# Altium PCB TIDA-010933-RevA.PcbDoc (part 4 of 9) (continued)
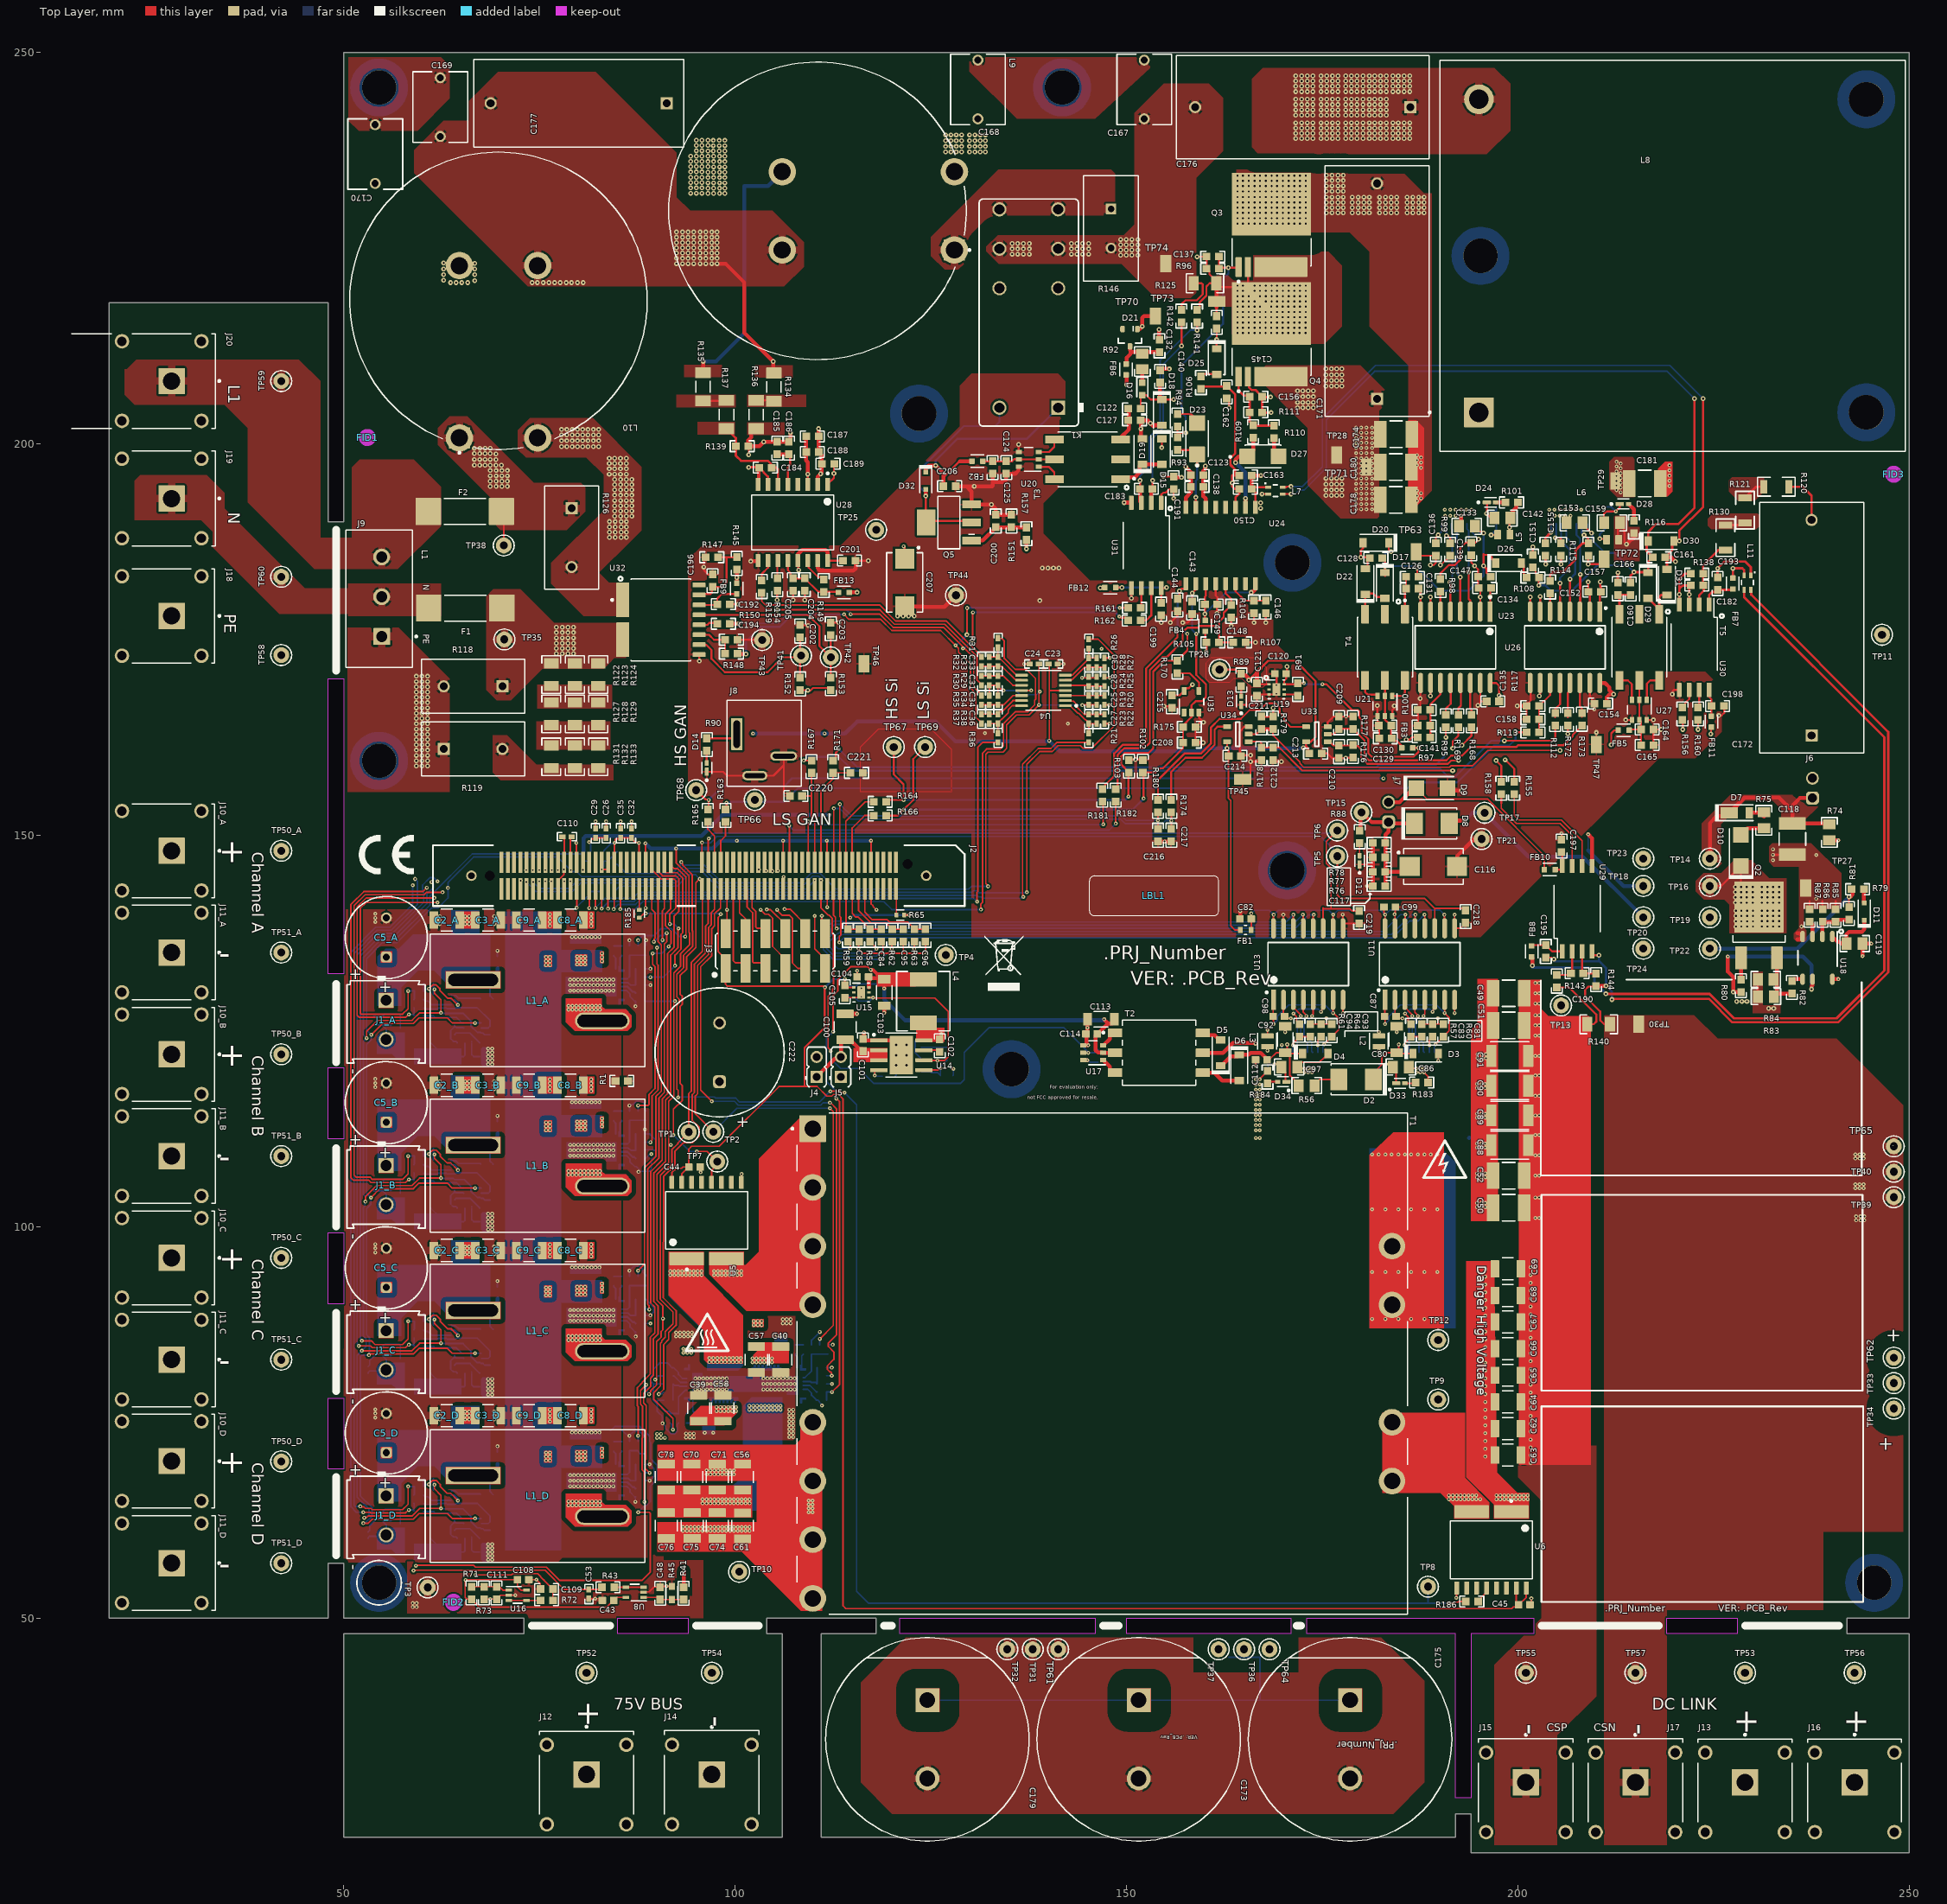
[diagram p0: Top Layer view]
## Nets (pads, with @x,y where several pads share a name; then routed paths per layer and width w, separated by ;. In a path a pad name is that pad's centre, name@x,y a point inside that pad or via, vN(x,y) a via of type N, cw(c..) or ccw(c..) an arc to the next point about the centre after c; other vN are vias at no path point) (continued)
  Top Layer w0.5: FB9.2@100.193,182.2 v2(100.193,182.909) R145.2@100.193,183.921 ; R89.2@164.647,170.413 165.199,170.413 165.584,170.027 165.584,169.827 v2(165.605,169.806) ; C121.1@166.647,169.413 166.647,170.849 167.135,171.336 ; U26.16@210.445,169.434 211.107,169.434 211.684,168.857 211.684,168.516 v2(212.208,167.992) 211.708,167.992 211.353,167.637 C154.1@211.353,166.801
  Layer 1 w0.2: v1(62.4,64) 63,64 65.553,61.447 v1(65.553,54.858)
  Layer 2 w0.2: 115.582,152.6 115.6,152.582
  Layer 2 w0.254: v2(109.28,168.517) 109.28,165.12 v1(111.4,163)
  Layer 2 w0.5: v2(100.193,182.909) 100.193,182.206 98.212,180.225 98.212,172.267 102.366,168.113 102.366,162.9 102.297,162.968 v1(102.275,162.968) ; v1(111.4,163) 111.9,162.5 111.9,160.35 114,158.25 115.6,156.65 115.6,152.582 115.6,140.361 v1(114.699,139.46) 114,138.761 v1(114,131.6) ; v1(112,152.6) 115.582,152.6 ; v2(165.605,169.806) 167.489,167.923 168.22,167.923 168.835,167.308 169.46,167.308 170.004,167.852 170.004,167.923 184.714,167.923 185.54,168.749 187.646,168.749 188.628,167.767 v2(188.825,167.767) v2(202.735,167.767) 211.953,167.767 212.178,167.992 v2(212.208,167.992)
  Bottom Layer w0.2: v1(52.6,62.8) 52.681,62.8 52.88,62.999 53.011,62.999 53.2,63.188 53.2,63.934 51.7,65.434 51.7,83.528 v1(52.3,84.128) 52.85,84.678 52.85,85.65 52.5,86 52.5,102.462 52.693,102.655 52.693,103.113 v1(52.75,103.17) 52.75,103.824 52.5,104.074 52.5,123.67 v1(52.9,124.07) 52.5,124.47 52.5,134.401 54.749,136.65 56.563,136.65 61,141.087 61,142.202 66.398,147.6 80.343,147.6 R2.2@80.6,147.857 ; U2_D.5@61.45,66.325 v1@61.45,67.017 ; v1@61.45,67.05 C6_D.1@61.45,67.775 ; U2_C.5@61.45,87.425 v1@61.45,88.117 ; v1@61.45,88.15 C6_C.1@61.45,88.875 ; U2_B.5@61.45,108.525 v1@61.45,109.217 ; v1@61.45,109.25 C6_B.1@61.45,109.975 ; U2_A.5@61.45,129.625 v1@61.45,130.317 ; v1@61.45,130.35 C6_A.1@61.45,131.075 ; v1(62.4,64) 62.45,63.95 65.235,63.95 66.218,62.967 66.218,62.327 67.03,61.515 67.425,61.515 67.525,61.415 67.775,61.415 67.99,61.2 C19_D.1@68.675,61.2 ; v1(62.4,85.1) 62.45,85.05 65.235,85.05 66.218,84.067 66.218,83.427 67.03,82.615 67.425,82.615 67.525,82.515 67.775,82.515 67.99,82.3 C19_C.1@68.675,82.3 ; v1(62.4,106.2) 62.45,106.15 64,106.15 64.15,106 65.385,106 66.218,105.167 66.218,104.527 67.03,103.715 67.425,103.715 67.525,103.615 67.775,103.615 67.99,103.4 C19_B.1@68.675,103.4 ; v1(62.4,127.3) 62.45,127.25 65.235,127.25 66.218,126.267 66.218,125.627 67.03,124.815 67.425,124.815 67.525,124.715 67.775,124.715 67.99,124.5 C19_A.1@68.675,124.5 ; v1(88.543,140) v1@97.962,140
  Bottom Layer w0.254: v1(111.45,130.55) 112.5,131.6 v1(114,131.6) ; v1(114.699,139.46) 114.766,139.46 115.108,139.803 v1(122.21,139.803)
  Bottom Layer w0.5: R2.2@80.6,147.857 80.6,149.591 80.893,149.884 95.684,149.884 98.4,152.6 v1(112,152.6) ; v1(102.275,162.968) 114.022,162.968 115.554,164.5 125.6,164.5 128.097,162.003 130.907,162.003 130.91,162 140.038,162 v1(140.1,162.062) 141.462,160.7 159.715,160.7 160.111,161.096 v2(162.83,161.096) 172.503,161.096 172.552,161.146 v2(172.582,161.146)
  other v2: 197.588,167.833
3V3_ISO: C82.1 C99.1 FB1.2 U11.10 U11.16 U13.10 U13.16 | length 36.4
  Top Layer w0.2: FB1.2@165.9,137.9 165.927,137.927 C82.1@165.927,139.3 v1(165.927,140) ; U13.16@168.756,138.09 168.756,139.807 v1(168.783,139.834) ; U13.10@176.376,138.09 176.376,139.817 v1(176.396,139.836) ; 182.873,140.092 C99.1@182.873,140.8 ; U11.16@183.006,138.09 183.006,139.824 v1(183.033,139.851) ; v1(190.599,139.835) 190.612,139.821 190.612,138.104 U11.10@190.626,138.09
  Bottom Layer w0.2: v1(165.927,140) 166.335,140.408 168.209,140.408 v1(168.783,139.834) 169.356,140.408 175.824,140.408 v1(176.396,139.836) 176.967,140.408 181.992,140.408 182,140.4 182.484,140.4 v1(183.033,139.851) 183.611,140.43 190.004,140.43 v1(190.599,139.835)
5V: C10_A.1 C10_B.1 C10_C.1 C10_D.1 C46.1 C72.1 C103.1 C104.2 C106.1 C113.1 C114.1 C120.2 C206.1 C207.1 C215.1 D9.1 D32.1 FB2.2 FB3.2 FB4.1 FB5.2 FB10.1 FB11.1 FB12.1 FB13.1 J2.48 J2.84 J2.98 J2.112 J7.2 J8.1 K1.A1 L4.2 R7_A.1 R7_B.1 R7_C.1 R7_D.1 R42.1 R50.1 R66.2 R67.2 R90.2 R91.2 R105.2 T2.2 TP25.1 U15.6 U17.2 U19.6 U35.5 | length 573
  Top Layer w0.2: v1(88.374,64.85) 88.374,68.652 88.111,68.915 88.111,72.971 88.136,72.996 88.136,77.052 87.897,77.291 87.897,79.054 v1(88.634,79.791) ; v1(88.533,148.95) 88.543,148.94 J2.48@88.543,146.522 ; v1(88.993,78.594) 88.993,78.676 89.193,78.876 89.193,79.007 89.943,79.757 89.943,85.3 90.525,85.881 90.525,86.6 90.75,86.825 90.75,89.826 90,90.576 90,106.681 91.5,108.181 91.5,115.986 92.145,116.632 v1@92.145,128.8 ; v1(92.295,128.8) 92.295,128.881 92.145,129.031 92.145,132.385 92.994,133.233 92.994,134.804 94.163,135.973 94.163,137.486 94.093,137.556 94.093,144.804 92.443,146.454 v1(92.443,148.3) ; v1(106.1,149.291) 106.121,149.27 106.121,146.543 J2.84@106.143,146.522 ; v1(111.7,149.291) 111.721,149.27 111.721,146.543 J2.98@111.743,146.522 ; v1(112.35,78.875) 113.329,79.854 113.329,115.931 v1(112.929,116.331) ; v1(112.5,124.9) 112.5,129.5 113.1,130.1 113.1,131.525 114.786,133.211 116.889,133.211 v1(117.3,132.8) ; J2.112@117.343,146.522 v1@117.343,149.287 ; v1(121.505,186.889) 121.642,186.751 C207.1@121.642,185.304 ; D9.1@187,156 188.4,154.6 196.134,154.6 203.35,147.384 FB10.1@203.35,145.6
  Top Layer w0.254: R90.2@96.36,162.367 99.66,162.367 J8.1@100.193,162.9 ; 126.575,195.661 128.683,197.768 ; C215.1@155.793,167.852 156.768,167.852 U35.5@157.343,168.427 157.701,168.785 157.965,168.785 v2(158.412,169.232) ; FB4.1@160.043,176.033 160.043,174.782 R105.2@160.201,174.624 160.201,173.415 v2(160.186,173.4) ; v2(170.482,171.534) 170.482,170.721 C120.2@170.374,170.613 170.374,169.99 170.122,169.738 U19.6@170.122,169.263 171.725,169.263 R91.2@171.875,169.413 v1(172.64,169.413) ; v1(175.02,169.281) 175.007,169.268 175.007,169.263 175.524,169.263 178.793,165.994 179.53,165.994 179.722,165.802 179.722,165.04 180.02,164.741 180.02,163.108 180.856,162.273 180.856,160.455 181.299,160.012 186.663,160.012 187.282,160.63 187.282,161.128 v2(187.3,161.147) FB3.2@186.551,161.147 ; v2(211.911,161.535) 211.911,163.013 212.298,163.4 FB5.2@212.8,163.4 ; v2(224.61,162.925) 224.655,162.97 224.655,163.755 FB11.1@224.7,163.8
  Top Layer w0.5: FB13.1@114.579,181.007 v2(115.55,181.007) ; C104.2@117.027,131.9 C104.2@117.075,131.852 ; U15.6@117.075,130.55 C104.2@117.075,131.852 ; v1(117.3,132.8) 117.57,132.8 118.6,131.77 C103.1@118.6,131.75 ; v1(117.338,149.291) v1@117.343,149.287 ; v1(119.02,130.4) C103.1@119.02,131.6 118.87,131.75 C103.1@118.6,131.75 ; D32.1@124.323,196.352 124.323,196.816 124.727,197.22 v2(125.619,197.22) 126.575,196.264 126.575,195.661 C206.1@126.575,194.575 ; 128.683,197.768 FB2.2@130.227,197.768 ; v1(147.108,126.463) 147.62,125.951 ; C113.1@148.42,126.5 148.42,126.25 148.12,125.95 147.62,125.95 146.27,124.6 C114.1@146.247,124.6 146.045,124.398 146.045,122.518 146.338,122.225 146.87,122.225 146.895,122.2 T2.2@148.5,122.2 ; J7.2@183.461,154.22 184.883,154.22 D9.1@186.663,156 ; C104.2@117.075,131.852 117.177,131.75 C103.1@118.6,131.75
  Layer 2 w0.2: v1(89.175,87.63) 90.451,87.63 90.693,87.872 90.693,88.193 v1(90.75,88.25) ; v1(89.276,109.268) 90.597,109.268 v1(91.764,110.436) ; 116.9,189.9 117.1,189.9 ; TP25.1@117.5,189.2 TP25.1@117.703,188.997
  Layer 2 w0.25: v2(125.619,197.22) 127.559,197.22 127.945,197.606 129.788,197.606 144.199,183.195 145.025,183.195 v2(146.634,181.586) 148.375,181.586 149.121,180.84 150.284,180.84 150.334,180.89 150.856,180.89 150.906,180.84 154.75,180.84 160.186,175.404 v2(160.186,173.4) ; v2(158.412,169.232) 158.412,171.627 v2(160.186,173.4) ; v2(170.482,171.534) 166.267,171.534 164.401,173.4 v2(160.186,173.4) ; 187,157.27 187.3,157.57 v2(187.3,161.147) ; v2@211.911,161.635 223.785,161.635 224.61,162.46 v2(224.61,162.925)
  Layer 2 w0.5: v1(100.2,149.291) 100.193,149.299 J8.1@100.193,162.9 100.193,169.296 96.641,172.848 96.641,181.87 100.053,185.283 101.21,185.283 102.828,186.901 114.579,186.901 ; v2(115.55,181.007) 114.579,181.977 114.579,186.901 ; 117.1,189.9 TP25.1@118,189 ; v1(117.3,132.8) 117.338,132.838 v1(117.338,149.291) ; TP25.1@117.703,188.997 119.397,188.997 v1(121.505,186.889) ; v2(125.619,197.22) 124.136,197.22 114.579,187.663 114.579,186.901 ; J7.2@183.461,154.22 186.511,157.27 187,157.27 197.523,157.27 200.286,160.034 210.866,160.034 211.911,161.078 v2@211.911,161.635
  Bottom Layer w0.2: v1(88.374,64.85) 88.374,65.379 C10_D.1@88.461,65.466 R7_D.1@88.461,66.516 ; C10_C.1@88.461,86.566 R7_C.1@88.461,87.616 89.161,87.616 v1(89.175,87.63) ; C10_B.1@88.461,107.666 R7_B.1@88.461,108.716 88.561,108.716 v1@89.055,109.21 ; R7_A.1@88.461,129.816 C10_A.1@88.461,128.766 92.261,128.766 v1(92.295,128.8) ; v1(88.634,79.791) 88.634,79.013 88.993,78.654 v1(88.993,78.594) ; v1(89.768,80.45) 89.826,80.507 89.826,80.607 90.143,80.925 R42.1@90.843,80.925 C46.1@90.843,81.961 ; C72.1@111.65,77.839 R50.1@111.65,78.875 v1(112.35,78.875) ; v1(112.5,124.9) 111.65,124.05 111.65,118.55 112.929,117.271 v1(112.929,116.331) ; R67.2@114.5,130.7 115.47,130.7 115.77,131 118.42,131 v1(119.02,130.4) ; R66.2@123.77,121.4 123.77,121.425 122.995,122.2 122.995,123.7 123.77,124.475 C106.1@123.77,124.5
  Bottom Layer w0.254: v2(125.619,197.22) 125.619,197.863 128.393,200.637 137.288,200.637 K1.A1@141.25,204.6 ; v1@172.839,169.281 v1(175.02,169.281)
  Bottom Layer w0.5: v1(88.533,148.95) 89.183,148.3 v1(92.443,148.3) 97.109,148.3 98.1,149.291 v1(100.2,149.291) v1(106.1,149.291) v1(111.7,149.291) v1(117.338,149.291) ; v1(119.02,130.4) 119.02,129 121.67,126.35 123.77,126.35 ; C106.1@123.77,124.5 123.77,126.35 ; v1(147.108,126.463) 146.996,126.35 123.77,126.35
5V_AUX: C116.1 C117.1 D8.1 J7.1 R76.2 R77.2 R78.2 R88.2 TP15.1 | length 22.6
  Top Layer w0.5: R88.2@179.767,150.586 179.883,150.703 179.883,152.683 TP15.1@179.9,152.7 ; TP15.1@180.079,152.879 181.277,151.68 J7.1@183.461,151.68 ; C117.1@183.05,143.5 R76.2@183.05,145.332 ; J7.1@183.8,151.34 J7.1@183.641,151.5 ; D8.1@186.79,151.5 J7.1@183.641,151.5 ; C116.1@187.031,145.131 C116.1@186.163,146 185.495,145.332 R76.2@183.05,145.332 ; R76.2@183.05,145.332 R78.2@183.05,149 183.05,150.051 183.461,150.462 J7.1@183.461,151.68 ; J7.1@183.461,151.68 J7.1@183.641,151.5
5V_H: C81.1 C87.1 U10.51 U11.1 U11.7 | length 20.2
  Top Layer w0.2: v1(183.006,125.866) 183.006,126.818 C87.1@182.974,126.85 182.974,128.928 U11.1@183.006,128.96 ; v1(189.475,123.263) 189.475,123.274 190.451,124.25 C81.1@190.451,124.275 190.451,124.3 191.226,125.075 191.226,126.675 190.7,127.201 v1@190.7,127.3 ; v1@190.626,127.3 U11.7@190.626,128.96
  Bottom Layer w0.2: v1(183.006,125.866) 183.482,126.342 183.482,126.831 184.951,128.3 189.601,128.3 v1(190.626,127.275) ; U10.51@189.311,122.25 189.311,123.099 v1(189.475,123.263)
5V_HS_GaN: C134.1 C136.2 U22.51 U23.1 U23.7 | length 25.2
  Top Layer w0.254: U23.7@188.825,178.565 v2(188.825,180.436) ; C136.2@189.5,187.3 189.5,188.034 v2(189.807,188.341) ; U23.1@196.445,178.565 v2(196.445,180.492) 196.445,181.445 C134.1@196.565,181.565
  Layer 2 w0.254: v2(189.807,188.341) 189.807,187.217 187.867,185.276 187.867,181.958 188.825,181 v2(188.825,180.436) 189.543,180.436 190.5,179.478 195.431,179.478 v2(196.445,180.492)
  Bottom Layer w0.254: v2(189.807,188.341) 190.215,188.749 U22.51@190.215,189.775
5V_HS_Si: C132.1 D21.3 FB6.1 R92.1 | length 6.8
  Top Layer w0.254: R92.1@151.303,211.7 151.703,211.3 R92.1@152,211.3
  Top Layer w0.5: FB6.1@150,210.284 150,210.976 150.5,211.476 150.5,211.7 ; D21.3@150.425,212.441 150.435,212.431 150.435,211.965 150.7,211.7 151.303,211.7 C132.1@154.199,211.7
5V_L: C93.1 C98.1 U12.51 U13.1 U13.7 | length 20.2
  Top Layer w0.2: v1(168.756,125.866) 168.756,126.818 C98.1@168.724,126.85 168.724,128.928 U13.1@168.756,128.96 ; v1(175.225,123.263) 175.225,123.274 C93.1@176.201,124.25 176.201,124.275 177.1,125.174 177.1,126.6 v1@176.5,127.2 ; v1(176.376,127.275) U13.7@176.376,128.96
  Bottom Layer w0.2: v1(168.756,125.866) 169.232,126.342 169.232,126.831 170.701,128.3 175.351,128.3 v1(176.376,127.275) ; U12.51@175.061,122.25 175.061,123.099 v1(175.225,123.263)
5V_LS_CM: FB8.1 L11.3 | length 107.9
  Top Layer w0.305: v2(211.223,129.725) 224.472,129.725 227.597,126.6 240.695,126.6 246.795,132.7 246.795,162.505 228.887,180.413 228.887,181.335 L11.3@228.885,181.336
  Top Layer w0.5: FB8.1@201.822,134.35 201.85,134.322 v2(201.85,133.324)
  Bottom Layer w0.305: v2@201.85,133.074 209.026,133.074 209.75,132.35 209.75,131.267 211.223,129.794 v2(211.223,129.725)
5V_LS_GaN: C152.2 C155.2 FB7.1 L11.4 U25.51 U26.1 U26.7 | length 47.4
  Top Layer w0.305: U26.7@202.825,178.565 v2(202.825,180.5) ; C155.2@203.5,187.3 203.5,187.987 v2(204.215,188.702) ; U26.1@210.445,178.565 210.445,180.939 C152.2@210.609,181.103 210.609,181.655 210.5,181.764 v2(210.5,182.364) ; FB7.1@227.45,182.936 v2(227.45,184.089) 228.66,184.089 228.885,183.864 L11.4@228.885,183.186
  Layer 2 w0.254: v2(204.215,188.702) 202.825,187.312 202.825,183.18 203.524,182.482 203.524,181.599 202.856,180.931 202.856,180.531 v2(202.825,180.5) 208.636,180.5 v2(210.5,182.364) 225.725,182.364 v2(227.45,184.089)
  Bottom Layer w0.25: v2(204.215,188.702) U25.51@204.215,189.775
5V_PG: R91.1 U19.4 | length 1.8
  Top Layer w0.254: U19.4@170.122,167.963 171.725,167.963 R91.1@171.875,167.813
12_HV: C92.1 C112.1 D4.1 D5.1 D6.1 R56.1 U12.44 | length 18.4
  Top Layer w0.2: C112.1@168.284,121.383 169.101,122.201 C92.1@170.251,122.201 ; v1(170.511,123.26) 170.511,122.461 C92.1@170.251,122.201 ; C92.1@170.8,122.2 170.857,122.143 C92.1@170.857,122.1 ; R56.1@171.984,118 171.984,118.165 170.857,119.292 C92.1@170.857,122.1 ; D4.1@172.463,122.1 C92.1@170.857,122.1 ; C92.1@170.251,122.201 170.351,122.1 C92.1@170.857,122.1
  Top Layer w0.5: D5.1@162,120.562 162.153,120.562 163.32,121.73 164.192,121.73 D6.1@164.4,121.938 165.568,121.938 165.837,122.206 167.109,122.206 167.698,121.617 167.698,121.506 C112.1@167.852,121.352
  Bottom Layer w0.2: U12.44@170.511,122.25 v1(170.511,123.26)
12V_HS_GaN: C126.1 C128.1 C133.2 C147.1 D17.1 D20.1 D26.1 U22.44 | length 36.3
  Top Layer w0.254: C128.1@182.649,185.5 183,185.149 v2(183,184.361) D17.1@183,183.137 ; D20.1@183.487,187.365 183.487,186.513 v2(183.8,186.2) ; v2(187.121,184.137) 187.121,183.179 C126.1@187.3,183 ; C133.2@194.481,189.447 194.799,189.129 194.799,188.964 194.989,188.774 v2@195.6,188.774 ; 196.381,185.792 196.643,185.53 196.643,185.252 D26.1@197.154,184.741 ; 196.381,185.807 195.664,185.807 195.589,185.882 v2(195.589,184.408) 195.964,184.034 195.964,183.529 C147.1@196.493,183
  Bottom Layer w0.2: U22.44@194.765,189.775 194.765,188.935 195.022,188.678 195.422,188.678 v2@195.5,188.6
  Bottom Layer w0.254: v2(183.8,186.2) 183.732,186.132 183.281,186.132 183,185.851 v2(183,184.361) 186.805,184.361 187.028,184.137 v2(187.121,184.137) 190.033,181.225 193.684,181.225 195.589,183.13 v2(195.589,184.408) 195.589,187.277 195.6,187.288 v2(195.6,188.6)
12V_HS_Si: C122.1 C123.1 C138.2 C140.1 C145.2 D15.1 D16.1 D18.1 D25.1 U24.16 | length 39.4
  Top Layer w0.254: C122.1@151.8,204.5 151.8,206 D16.1@152,206.2 152.5,206.2 153.063,205.637 D18.1@154.5,205.637 154.506,205.632 v2(156,205.632) ; v2(154.5,199.5) D15.1@154.5,200.637 ; D25.1@161.5,212.137 161.5,213.295 v2(161.505,213.3) 161.505,214.695 C145.2@161.5,214.7
  Top Layer w0.5: C140.1@154.279,207.8 154.279,205.858 D18.1@154.5,205.637 ; v2(157.54,197.05) 158.2,196.39 C123.1@158.2,196 158.2,193.775 157.555,193.13 U24.16@157.555,191.875
  Layer 2 w0.254: v2(157.54,197.05) 155.09,199.5 v2(154.5,199.5) 154.5,200.637 156,202.137 v2(156,205.632) 156.529,206.161 156.529,209.989 159.84,213.3 v2(161.505,213.3)
12V_LS_GaN: C151.1 C153.2 C160.1 C161.2 D29.1 D30.1 L7.3 R108.1 U25.44 | length 121.3
  Top Layer w0.254: L7.3@169.925,193.575 v2(171,193.575) ; C151.1@201.9,184.2 202.248,183.852 202.248,183.424 202.648,183.024 v2(202.648,181.897) ; C153.2@207.8,189.5 208.454,189.5 v2(209.377,188.577)
  Top Layer w0.3: D30.1@216.631,187.574 216.631,188.75 217.641,189.761 220.508,189.761 221.828,191.08
  Top Layer w0.305: C160.1@214.375,182.256 214.375,183.164 v2(214.807,183.597) 216.563,183.597 D29.1@216.625,183.535 216.625,184.925 C161.2@217.2,185.5 216.428,186.272 D30.1@216.428,187.574 ; 221.828,191.08 222.55,191.802 v2(222.55,205.75)
  Bottom Layer w0.2: v2(171,193.575) 171.525,193.575 172.024,194.074 172.668,194.074 175.5,196.907 175.5,203.071 181.679,209.25 219.05,209.25 v2(222.55,205.75)
  Bottom Layer w0.254: v2(202.648,181.897) 203.519,181.897 204.191,181.225 206.901,181.225 210.159,184.483 213.921,184.483 ; U25.44@208.765,189.775 208.863,189.677 208.863,189.091 v2(209.377,188.577) 209.517,188.437 209.517,187.634 211.107,186.044 212.36,186.044 213.921,184.483 ; v2(214.807,183.597) 213.921,184.483
12V_LS_Si: C150.2 C162.2 C163.2 L7.4 R106.1 U24.11 | length 26.7
  Top Layer w0.254: v2(167.3,193.575) L7.4@168.075,193.575
  Top Layer w0.3: R106.1@159.5,207.3 C162.2@162.779,207.3 ; C162.2@162.779,207.4 162.779,207.375 163.871,206.283 163.871,198.786 163.25,198.166 163.25,197.309 163.871,196.688 163.871,195.95 ; U24.11@163.905,191.875 163.905,193.152 164.375,193.622 C150.2@164.375,194.24 163.793,194.24 163.5,194.533 v2(163.5,194.98) 163.5,195.95 163.871,195.95 ; C163.2@164.375,195.95 163.871,195.95
  Layer 2 w0.254: v2(163.5,194.98) 165.895,194.98 v2(167.3,193.575)
75V: C8_A.2 C8_B.2 C8_C.2 C8_D.2 C9_A.2 C9_B.2 C9_C.2 C9_D.2 C11_A.1 C11_B.1 C11_C.1 C11_D.1 C12_A.1 C12_B.1 C12_C.1 C12_D.1 C13_A.1 C13_B.1 C13_C.1 C13_D.1 C14_A.1 C14_B.1 C14_C.1 C14_D.1 C39.2 C40.2 C41.1 C42.1 C57.2 C58.2 C59.1 C60.1 C222.1 J4.2 J12.1 R41.2 TP52.1 U1_A.7 U1_B.7 U1_C.7 U1_D.7 U7.7 U9.7 | length 22.2
  Top Layer w0.5: R41.2@93.4,53.95 v1(93.4,56)
  Layer 1 w0.5: 101.6,105.2 101.733,105.333 101.733,108.467 109,115.734 109,120.27 J4.2@110.4,121.67
  other v1: 75.829,70.112 76.329,70.112 79.808,70.2 80.308,70.2 80.808,70.2 75.829,70.612 76.329,70.612 82.975,70.6 79.808,70.7 80.308,70.7 80.808,70.7 82.975,71.1 75.829,71.112 76.329,71.112 79.808,71.2 80.308,71.2 80.808,71.2 82.975,71.6 90.015,73.017 90.515,73.017 91.015,73.017 90.015,73.517 90.515,73.517 76.329,75.1 76.329,75.6 76.329,76.1 97.6,76.431 98.1,76.431 98.6,76.431 99.1,76.431 99.6,76.431 100.1,76.431 76.329,76.6 97.6,76.931 98.1,76.931 98.6,76.931 99.1,76.931 99.6,76.931 100.1,76.931 102.193,82.669 102.693,82.669 103.193,82.669 103.693,82.669 104.193,82.669 104.693,82.669 102.193,83.169 102.693,83.169 103.193,83.169 103.693,83.169 104.193,83.169 104.693,83.169 93.375,83.875 93.875,83.875 94.375,83.875 93.375,84.375 93.875,84.375 94.375,84.375 102.375,87.425 102.875,87.425 103.375,87.425 102.375,87.925 102.875,87.925 103.375,87.925 75.829,91.212 76.329,91.212 79.808,91.3 80.308,91.3 80.808,91.3 82.975,91.7 75.829,91.712 76.329,91.712 79.808,91.8 80.308,91.8 80.808,91.8 75.829,92.212 76.329,92.212 82.975,92.2 79.808,92.3 80.308,92.3 80.808,92.3 82.975,92.7 76.329,96.2 76.329,96.7 76.329,97.2 76.329,97.7 75.829,112.312 76.329,112.313 79.808,112.4 80.308,112.4 80.808,112.4 75.829,112.812 76.329,112.812 82.975,112.8 79.808,112.9 80.308,112.9 80.808,112.9 75.829,113.312 76.329,113.312 82.975,113.3 79.808,113.4 80.308,113.4 80.808,113.4 82.975,113.8 76.329,117.3 76.329,117.8 76.329,118.3 76.329,118.8 75.829,133.412 76.329,133.412 79.808,133.5 80.308,133.5 80.808,133.5 75.829,133.912 76.329,133.912 82.975,133.9 79.808,134 80.308,134 80.808,134 82.975,134.4 75.829,134.412 76.329,134.412 79.808,134.5 80.308,134.5 80.808,134.5 82.975,134.9 76.329,138.4 76.329,138.9 76.329,139.4 76.329,139.9
AC_CS: C35.1 J2.37 R36.2 | length 84.7
  Top Layer w0.2: v1@84.543,140.712 J2.37@84.543,143.122 ; C35.1@85.343,150.85 v1(85.343,151.75) ; v1(130.898,141.5) 130.875,141.523 130.875,142.725 131,142.85 131,161.25 131.464,161.714 131.464,161.717 131.581,161.834 R36.2@133.564,161.834
  Layer 2 w0.2: v1(84.462,140.55) 85.343,141.431 v1(85.343,151.75)
  Bottom Layer w0.2: v1(84.462,140.55) 85.055,141.143 87.257,141.143 88.014,141.9 130.498,141.9 v1(130.898,141.5)
AC_CS+: R35.2 R150.1 R162.1 | length 65.4
  Top Layer w0.2: v1(114.741,178.225) 118.486,178.225 120.167,176.544 126.613,176.544 130.464,172.693 130.464,168.934 131.464,167.934 R35.2@131.464,167.834
  Top Layer w0.254: v2(130.3,174.9) 130.333,174.933 130.333,178.424 v1(130.367,178.457) ; v1(149.058,177.942) 149.125,177.942 149.295,177.772 149.828,177.772 R162.1@150.176,177.424
  Top Layer w0.5: R150.1@99.3,177 v2(100.451,177)
  Bottom Layer w0.2: v2(100.451,177) 100.501,177.05 105.481,177.05 107.256,178.825 114.192,178.825 v1@114.767,178.251 ; v1(114.741,178.225) 114.792,178.225 v1@114.875,178.142
  Bottom Layer w0.254: v1(129.088,173.857) 129.135,173.904 129.304,173.904 v2(130.3,174.9) ; v1(130.367,178.457) 148.543,178.457 v1(149.058,177.942)
AC_CS-: R37.1 R148.1 R161.1 | length 70
  Top Layer w0.2: v1(113.9,178.2) 114.531,177.569 118.577,177.569 120.002,176.144 126.235,176.144 v1(128.14,174.24) 128.538,173.841 128.538,173.362 130.064,171.836 130.064,168.768 130.748,168.084 130.748,165.047 131.039,164.755 131.064,164.755 131.464,164.355 R37.1@131.464,164.255
  Top Layer w0.254: v2(129.6,175.6) 129.608,175.608 129.608,179.004 v1(129.615,179.011) ; v1(149.128,179.034) R161.1@150.197,179.034
  Top Layer w0.5: R148.1@100.3,173.185 100.363,173.122 v2(101.379,173.122)
  Bottom Layer w0.2: 107.273,178.2 v1(113.9,178.2)
  Bottom Layer w0.254: v2(101.379,173.122) 101.379,174.774 103.202,176.596 105.669,176.596 107.273,178.2 ; v1(128.14,174.24) 128.187,174.287 128.287,174.287 v2(129.6,175.6) ; v1(129.615,179.011) 129.638,179.034 v1(149.128,179.034)
AC_VS: C32.1 J2.39 R31.2 | length 104.8
  Top Layer w0.2: v1(85.3,140.55) 85.343,140.593 J2.39@85.343,143.122 ; C32.1@86.75,150.85 v1(86.75,151.75) ; v1(131.381,140.495) 131.381,141.206 131.6,141.424 131.6,160.502 132.098,161 133.854,161 134.266,161.412 134.266,164.255 135.766,165.755 137.355,165.755 138.245,166.645 138.245,167.24 138.4,167.395 138.4,167.956 138.35,168.005 138.35,170.017 137.198,171.169 135.769,171.169 134.371,172.568 134.371,174.789 134.047,175.113 133.614,175.113 R31.2@133.564,175.163
  Layer 2 w0.2: v1(85.3,140.55) 86.75,142 v1(86.75,151.75)
  Bottom Layer w0.2: v1(85.3,140.55) 87.23,140.55 88.18,141.5 119,141.5 120.005,140.495 v1(131.381,140.495)
AC_VS+: R30.2 R154.2 | length 34.4
  Top Layer w0.2: v2(105.354,178.775) 118.502,178.775 120.333,176.944 126.779,176.944 130.864,172.859 130.864,169.81 131.039,169.634 131.064,169.634 131.464,169.234 R30.2@131.464,169.134
  Top Layer w0.254: v2(105.354,180.04) 105.354,181.175 R154.2@105.379,181.2
  Bottom Layer w0.254: v2(105.354,178.775) v2(105.354,180.04)
AC_VS-: R32.2 R159.2 | length 32.4
  Top Layer w0.2: R159.2@103.379,181.2 103.379,179.896 103.871,179.405 118.438,179.405 120.499,177.344 126.983,177.344 131.464,172.863 R32.2@131.464,172.763
ADC_COMM: J2.11 J3.12 | length 47.7
  Top Layer w0.2: J2.11@74.143,143.122 74.159,143.138 74.159,143.984 v1(74.175,144) ; v1(111.057,139.676) 111.057,137.815 J3.12@111.45,137.423
  Layer 2 w0.2: v1(110.957,144.2) 110.957,144.119 111.057,144.019 v1(111.057,139.676)
  Bottom Layer w0.2: v1(74.175,144) 74.975,143.2 78.849,143.2 79.949,144.3 92.259,144.3 93.709,145.75 95.916,145.75 98.166,143.5 108.61,143.5 109.86,144.75 110.65,144.75 v1@110.996,144.404
BoostIN_A: C2_A.2 C3_A.2 C4_A.1 C5_A.1 J1_A.1 J10_A.1 L1_A.1 R5_A.2 R6_A.2 TP50_A.1 | length 15.7
  Layer 2 w1.5: J1_A.1@55.4,128.9 55.4,134.4 C5_A.1@55.425,134.425
  Bottom Layer w0.2: J1_A.1@55.425,128.925 J1_A.1@55.4,128.9 55.95,128.35 R5_A.2@57.1,128.35 ; L1_A.1@64.085,131.5 L1_A.1@66.5,131.5 ; L1_A.1@68.675,130.53 68.675,129.45 69.05,129.075 R6_A.2@69.075,129.075
  Bottom Layer w0.5: L1_A.1@66.5,131.5 68.78,131.5 69.6,132.32 69.606,133
  other v1: 65.5,138.65 66,138.65 65.5,139.15 66,139.15 65.5,139.65 66,139.65
BoostIN_B: C2_B.2 C3_B.2 C4_B.1 C5_B.1 J1_B.1 J10_B.1 L1_B.1 R5_B.2 R6_B.2 TP50_B.1 | length 15.7
  Layer 2 w1.5: J1_B.1@55.4,107.8 55.425,107.825 C5_B.1@55.425,113.325
  Bottom Layer w0.2: J1_B.1@55.425,107.825 J1_B.1@55.4,107.8 55.95,107.25 R5_B.2@57.1,107.25 ; L1_B.1@64.085,110.4 L1_B.1@66.5,110.4 ; L1_B.1@68.675,109.43 68.675,108.35 69.05,107.975 R6_B.2@69.075,107.975
  Bottom Layer w0.5: L1_B.1@66.5,110.4 68.78,110.4 69.6,111.22 69.606,111.9
  other v1: 65.5,117.55 66,117.55 65.5,118.05 66,118.05 65.5,118.55 66,118.55
BoostIN_C: C2_C.2 C3_C.2 C4_C.1 C5_C.1 J1_C.1 J10_C.1 L1_C.1 R5_C.2 R6_C.2 TP50_C.1 | length 15.7
  Layer 2 w1.5: J1_C.1@55.4,86.7 55.425,86.725 C5_C.1@55.425,92.225
  Bottom Layer w0.2: J1_C.1@55.425,86.725 J1_C.1@55.4,86.7 55.95,86.15 R5_C.2@57.1,86.15 ; L1_C.1@64.085,89.3 L1_C.1@66.5,89.3 ; L1_C.1@68.675,88.33 68.675,87.25 69.05,86.875 R6_C.2@69.075,86.875
  Bottom Layer w0.5: L1_C.1@66.5,89.3 68.78,89.3 69.6,90.12 69.606,90.8
  other v1: 65.5,96.45 66,96.45 65.5,96.95 66,96.95 65.5,97.45 66,97.45
BoostIN_D: C2_D.2 C3_D.2 C4_D.1 C5_D.1 J1_D.1 J10_D.1 L1_D.1 R5_D.2 R6_D.2 TP50_D.1 | length 15.7
  Layer 2 w1.5: J1_D.1@55.4,65.6 55.425,65.625 C5_D.1@55.425,71.125
  Bottom Layer w0.2: J1_D.1@55.425,65.625 J1_D.1@55.4,65.6 55.95,65.05 R5_D.2@57.1,65.05 ; L1_D.1@64.085,68.2 L1_D.1@66.5,68.2 ; L1_D.1@68.675,67.23 68.675,66.15 69.05,65.775 R6_D.2@69.075,65.775
  Bottom Layer w0.5: L1_D.1@66.5,68.2 68.78,68.2 69.6,69.02 69.606,69.7
  other v1: 65.5,75.35 66,75.35 65.5,75.85 66,75.85 65.5,76.35 66,76.35
CAN_RX: J2.80 J3.9 | length 16.4
  Top Layer w0.2: J2.80@104.543,146.522 104.543,145.614 v1(104.762,145.395) ; v1(105.343,140.473) 105.343,140.409 105.995,139.757 106.943,139.757 107.3,139.4 107.3,139.392 107.305,139.387 107.305,133.677 108.005,132.978 J3.9@108.91,132.978
  Layer 2 w0.2: v1(104.762,145.395) 104.762,141.124 105.343,140.542 v1(105.343,140.473)
CAN_TX: J2.82 J3.10 | length 11
  Top Layer w0.2: J2.82@105.343,146.522 105.343,145.647 105.459,145.531 v1(105.459,145.45) ; v1(106.3,140.542) 106.995,140.542 108.91,138.628 J3.10@108.91,137.423
  Layer 2 w0.2: v1(105.459,145.45) 105.459,141.383 v1(106.3,140.542)
CS_BOOST1: C21_A.1 J2.23 R16_A.2 | length 53.5
  Top Layer w0.2: v1(58.3,127.1) 58.266,127.1 57.894,126.728 51.976,126.728 51.7,127.005 51.7,135.437 51.7,140.819 52.856,141.974 v1(61.55,141.974) ; J2.23@78.943,143.122 v1(78.943,144.1)
  Layer 2 w0.2: v1(61.55,141.974) 61.55,141.893 61.4,141.743 61.4,141.172 61.722,140.85 62.178,140.85 62.346,141.018 67.936,141.018 68.044,141.126 68.357,141.126 69.261,142.029 75.773,142.029 77.293,143.55 78.371,143.55 78.921,144.1 v1(78.943,144.1)
  Bottom Layer w0.2: v1(58.3,127.1) 58.8,127.1 R16_A.2@58.922,126.978 ; C21_A.1@58.95,127.95 58.972,127.928 58.972,127.028 R16_A.2@59,127